# Altium PCB LARIX_V5.PcbDoc (part 1 of 2) (continued)
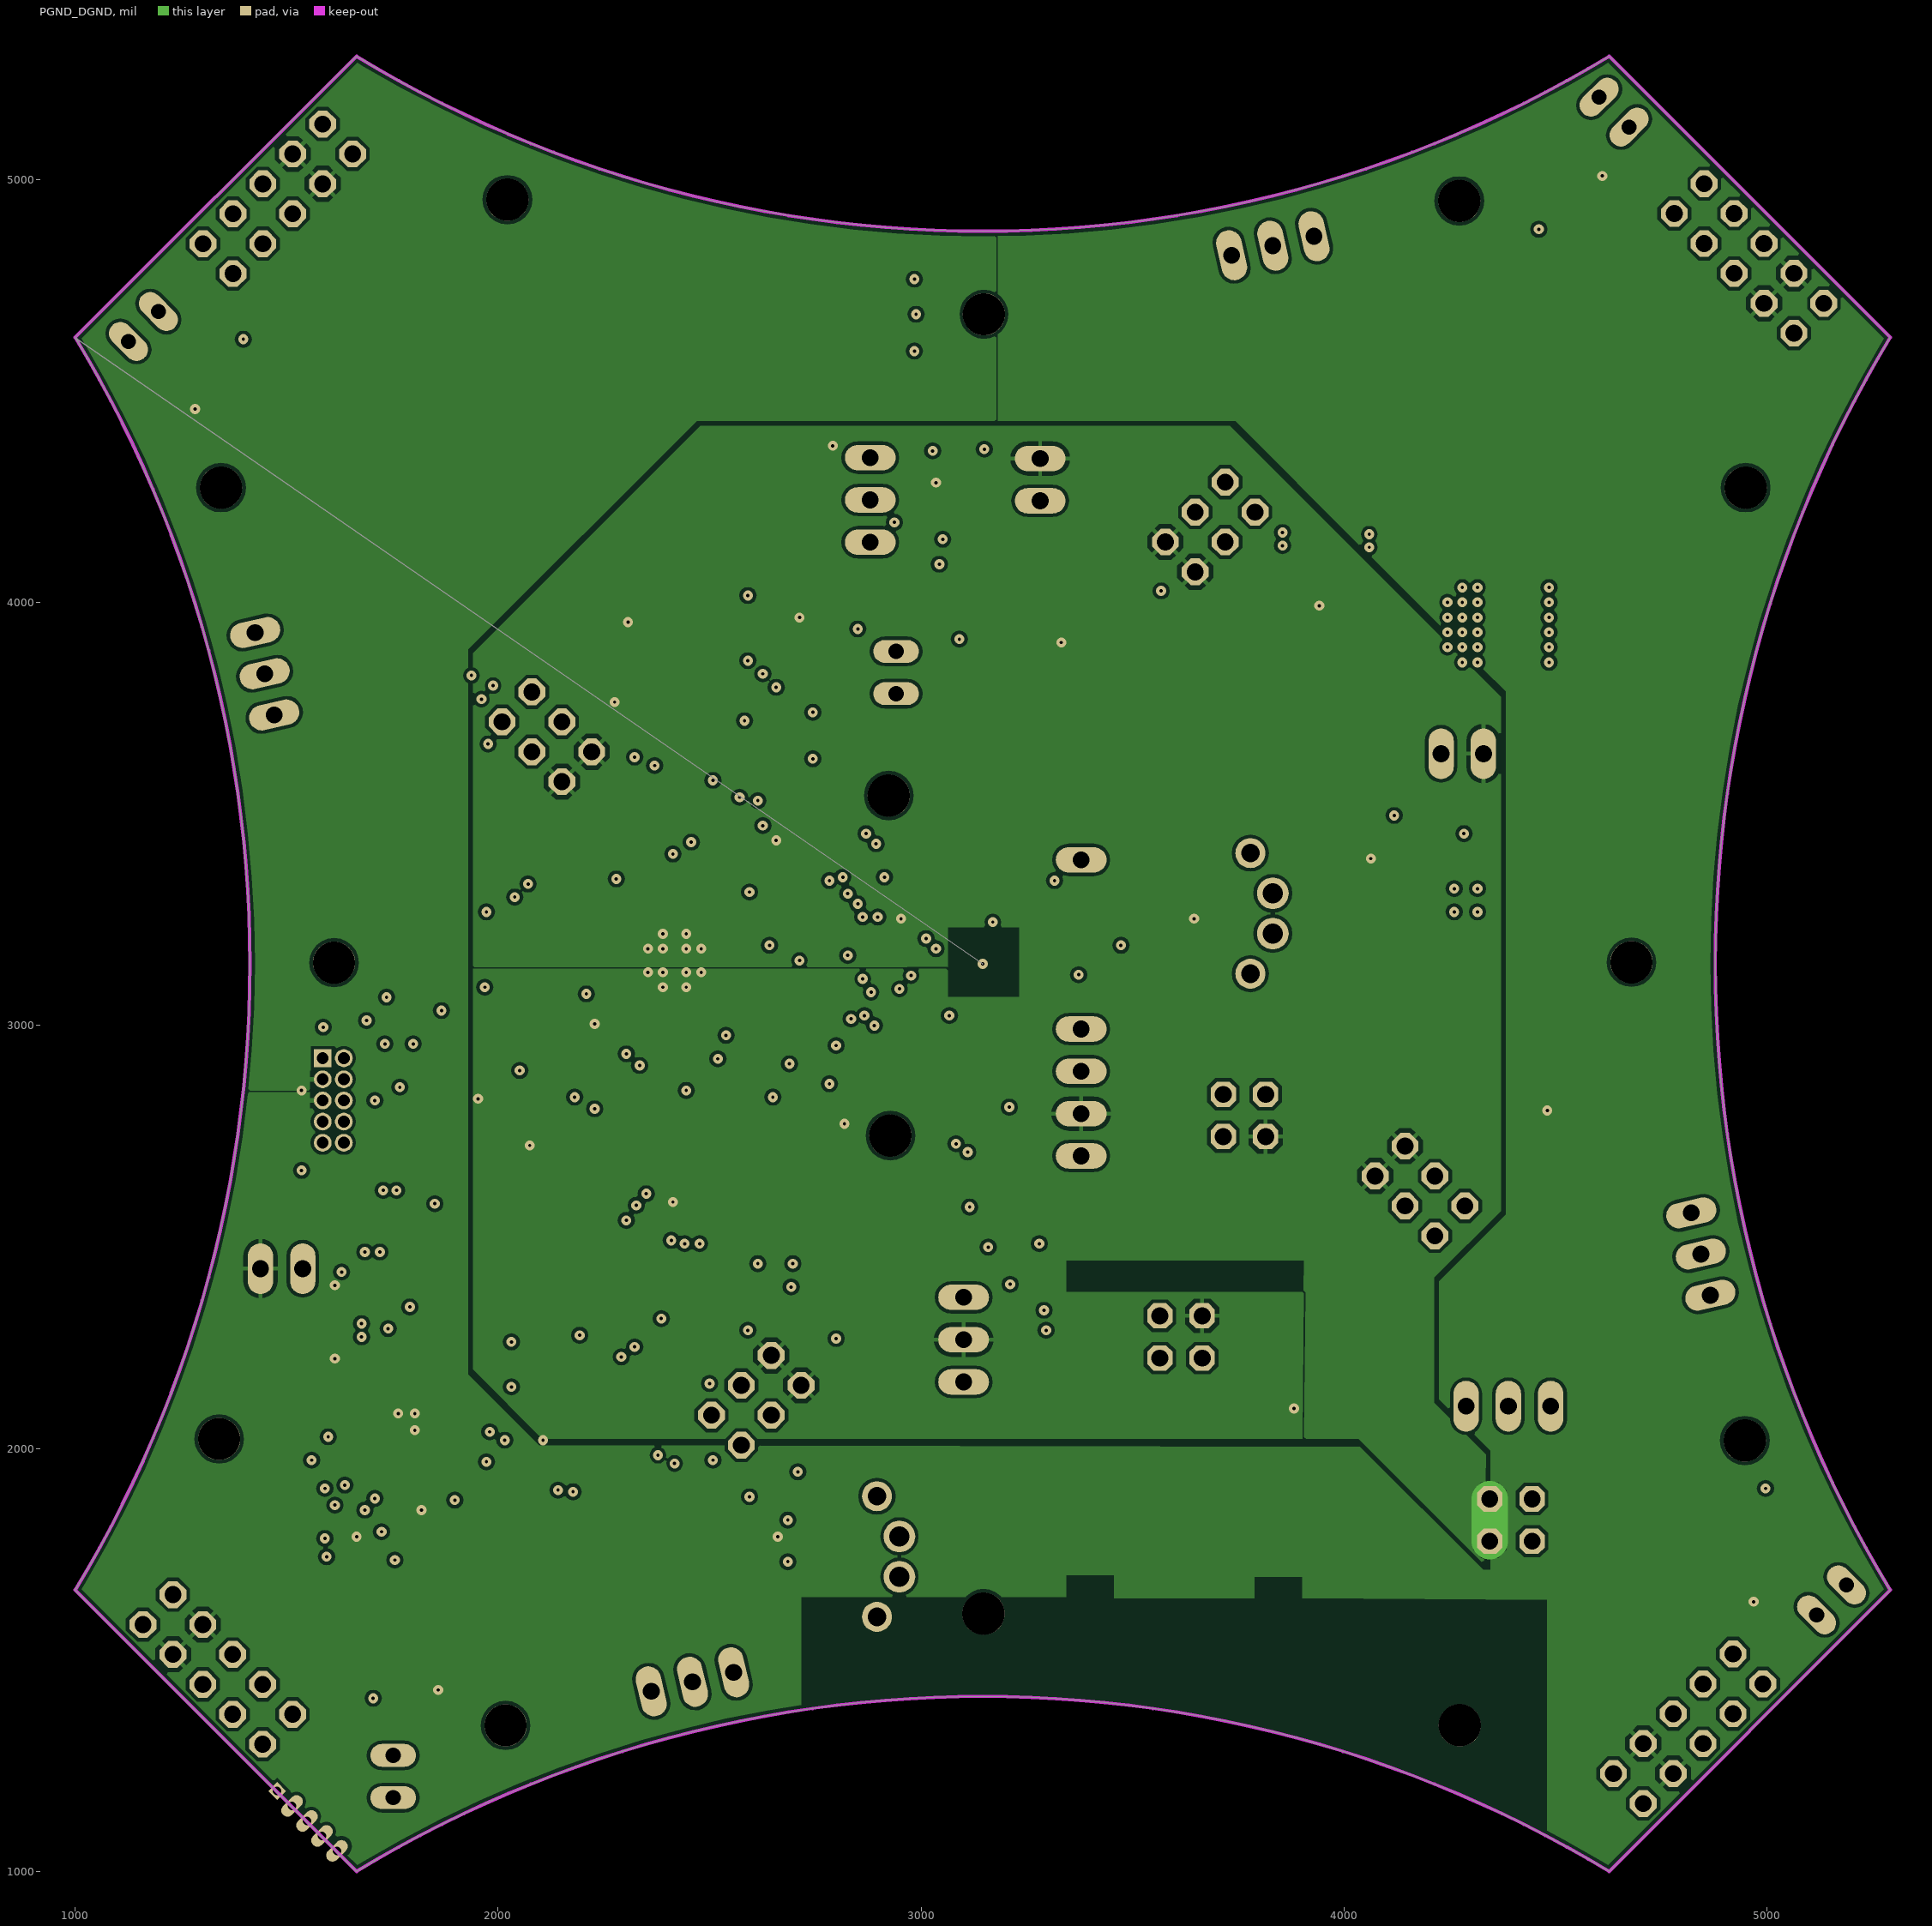
[diagram p3: PGND_DGND]
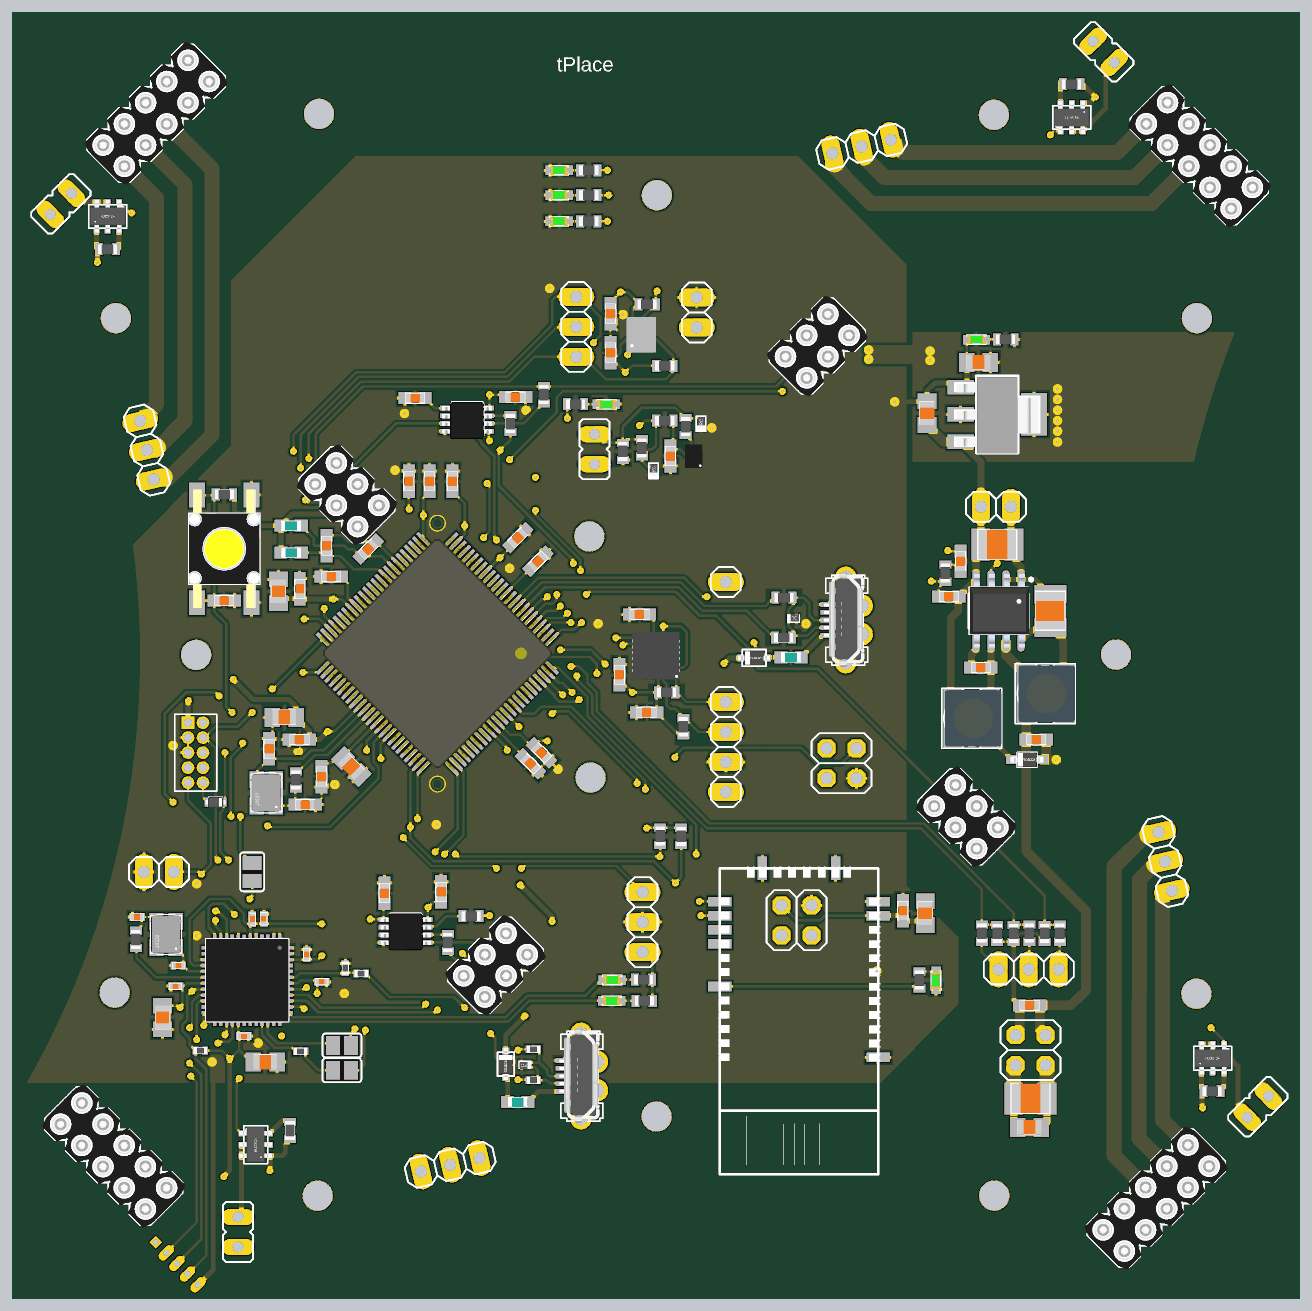
[diagram p5: 3D render of the assembled board from above, using the file's embedded part models]

## Layer stack, top to bottom
Top Solder: solder mask 0.4, Solder Resist, Dk 3.5
Top: signal copper 1.378
Dielectric 1: prepreg 15.748, FR-4, Dk 4.8
VCC_VDD: signal copper 1.378
Dielectric 2: core 15.748, FR-4, Dk 4.8
PGND_DGND: signal copper 1.378
Dielectric 3: prepreg 27.9528, FR-4, Dk 4.8
Bottom: signal copper 1.378
Bottom Solder: solder mask 0.4, Solder Resist, Dk 3.5

## Board outline
1000,4626.67 1665.35,5291.67 ccw(c3146.01,7735.15) 4626.67,5291.67 5291.67,4626.67 ccw(c7733.18,3146.01) 5291.67,1665.35 4626.67,1000 ccw(c3146.01,-1441.51) 1665.35,1000 1000,1665.35 ccw(c-1445.45,3146.01) 3145.67,3145.67

## Design rules (kind name [scope] priority, off if disabled: settings)
Clearance mdViaVia [IsVia vs IsVia] p1: gap=7.87
Clearance mdPadVia [IsPad vs IsVia] p2: gap=7.87
Clearance mdPadPad [IsPad vs IsPad] p3: gap=7.87
Clearance mdWireVia [(InLayerClass('Signal Layers') AND IsTrack) vs IsVia] p4: gap=7.87
Clearance mdWirePad [(InLayerClass('Signal Layers') AND IsTrack) vs IsPad] p5: gap=7.87
Clearance mdWireWire [(InLayerClass('Signal Layers') AND IsTrack) vs (InLayerClass('Signal Layers') AND IsTrack)] p6: gap=7.87
Clearance [All] p7: gap=7.87
ComponentClearance [All] p1 off: gap=10 collisioncheckmode=3 verticalgap=10 showdistances=FALSE
HoleSize [All] p1: absolutevalues=TRUE maxlimit=100000 minlimit=7.87 maxpercent=80.000 minpercent=20.000
HoleToHoleClearance [All] p1: gap=8 allowstackedmicrovias=TRUE
PolygonConnect ThermalVias [IsVia] p1: connectstyle=Direct reliefconductorwidth=10 reliefentries=4 polygonreliefangle="90 Angle" airgapwidth=10
PolygonConnect [All] p2: connectstyle=Relief reliefconductorwidth=10 reliefentries=4 polygonreliefangle="90 Angle" airgapwidth=10
RoutingVias [All] p1: holewidth=28 width=50 viastyle="Through Hole" minholewidth=28 minwidth=50 maxholewidth=28 maxwidth=50
SilkToSilkClearance [All] p1 off: silktosilkclearance=10
SilkToSolderMaskClearance [IsPad] p1 off: minsilkscreentomaskgap=10 clearancetoexposedcopper=TRUE
SolderMaskExpansion [All] p1: expansion=4
Width [All] p1: maxlimit=100000 minlimit=7.87 preferedwidth=10
25 further rules are at their usual default settings.

## Components (designator, comment, footprint, x,y, rotation, side; value= is the part's Value field where it differs from the comment)
C1 "10µ" C0805K 1886.5,3360.67 r90 top
C2 "10µ" C0805K 1906.38,2940.47 r180 top
C3 "100n" C0603 2685.04,3539.67 r45 top
C4 "100n" C0603 1957.84,3368.67 r90 top
C5 "100n" C0603 1956.69,2866.14 r180 top
C6 "100n" C0603 2763.78,2822.83 r315 top
C7 "100n" C0603 2751.97,3460.67 r45 top
C8 "100n" C0603 2062.99,3409.67 r180 top
C9 "100n" C0603 2726.72,2785.77 r315 top
C10 "100n" C0603 2030.34,2742.94 r270 top
C11 "10µ" C0805K 2129.72,2776.74 r315 top
C12 "15p" C0603 1855.48,2835.8 r90 top
C13 "15p" C0603 1976.38,2649.61 r0 top
C14 "100n" C0603 2994.09,4286.67 r270 top
C15 "100n" C0603 2994.09,4156.67 r270 top
C16 "100n" C0603 2186.19,3501.67 r45 top
C17 "100n" C0603 2047.24,3512.67 r90 top
C18 "100n" C0603 3114.17,2956.69 r0 top
C19 "100n" C0603 3090.55,3283.67 r0 top
C20 "10n" C0603 1705.91,3329.67 r0 top
C21 "10n" C0603 3023.62,3082.68 r270 top
C22 "10µ" C0805K 4049.67,3954.67 r90 top
C23 "10µ" C0805K 4221.67,4123.67 r180 top
C24 "100µ" C1210 4460.67,3295.67 r270 top
C25 "10µ" C0805K 4391.67,1572.83 r180 top
C26 "100µ" C1210 4283.67,3516.67 r0 top
C27 "100n" C0603 4391.67,1979.92 r180 top
C28 "100n" C0603 3193.67,3811.67 r90 top
C29 "n.m." C0603 2390.55,3727.67 r90 top
C30 "n.m." C0603 2321.65,3727.67 r90 top
C31 "n.m." C0603 2466.93,3727.67 r90 top
C32 "100µ" C1210 4394.67,1669.29 r180 top
C33 "220n" C0603 4413.67,2866.14 r180 top
C34 "220n" C0603 4228.67,3106.3 r180 top
C35 "220n" C0603 4122.67,3342.67 r180 top
C36 "22n" C0603 4161.67,3460.67 r270 top
C37 "n.m." C0805K 4043.67,2287.4 r90 top
C38 "n.m." C0603 3968.67,2295.28 r90 top
C39 "10µ" C0805K 1842.52,1791.34 r0 top
C40 "100n" C0603 2429.13,2358.27 r90 top
C41 "100n" C0603 2677.17,4008.67 r0 top
C42 "100n" C0603 2342.52,4004.67 r180 top
C43 "100n" C0603 2240.16,2354.33 r90 top
C204 "100n" C0402 1838.58,2268.8 r90 top
C205 "15p" C0402 1415.35,2274.8 r180 top
C206 "15p" C0402 1553.15,2112.6 r180 top
C208 "100n" C0402 2031.35,2058.76 r0 top
C209 "100n" C0402 1543.7,2044.07 r180 top
C210 "4.7µ" C0805K 1500.55,1939.96 r270 top
C211 "100n" C0402 1980.95,2149.95 r90 top
C212 "100n" C0402 1771.7,1877.66 r0 top
C213 "100n" C0402 1799.41,2267.52 r90 top
CON2 "FTSH-105-01-F-D-K" FTSH-105-01-F-D-K 1610.24,2822.83 r270 top
CON3 "" 2X02 3764.67,2787.4 r90 top
CON4 "" 1X03 3100.67,2257.42 r90 top
CON5 "" 1X03 1448.16,3831.67 r103 top
CON6 "" 1X03 3831.67,4843.67 r13 top
CON7 "" 1X03 4843.67,2459.73 r283 top
CON8 "" 1X03 2459.57,1448.37 r193 top
CON9 "" 2X02 4394.67,1830.71 r270 top
CON10 "" 2X02 3614.67,2263.78 r180 top
CON11 "" 1X03 4388.67,2100.06 r180 top
CON12 "" 1X02 3281.67,4290.67 r90 top
CON13 "" 1X03 2879.92,4242.67 r90 top
CON14 "" 1X02 4279.67,3642.67 r0 top
CON15 "" 1X10 3378.67,3141.73 r90 top
D1 "ESD8V0L2B-03L" TSLP-3-1 3607.67,3281.67 r270 top
D2 "BAT60A" SOD323-R 3472.67,3138.58 r0 top
D3 "ESD218-B1-02EL" TSLP-2-20 3141.73,3764.67 r180 top
D4 "ESD218-B1-02EL" TSLP-2-20 3299.67,3921.67 r180 top
D5 "BAT54-02V" SC79 1677.17,2657.48 r0 top
D6 "BAS21-03W" INF-SOD323_V_1PRIMARY 4382.67,2799.21 r270 top
D7 "ESD8V0L2B-03L" TSLP-3-1 2705.12,1769.78 r90 top
DPS310 "" LGA8R125P0X4_500X300X120 3096.46,4215.67 r0 top
EL1 "" JP1 5152.67,1642.05 r135 top
EL2 "" JP1 1161.46,4652.67 r315 top
EL3 "" JP1 4638.67,5159.67 r225 top
EL4 "" JP1 1751.97,1224.41 r0 top
IC1 "SN74LVC2T45DCT" DCT_R-PDSO-G8 2515.75,3933.67 r270 top
IC2 "SN74LVC2T45DCT" DCT_R-PDSO-G8 2311.02,2228.35 r270 top
JP1 "" JP1 2940.94,3834.67 r180 top
JP2 "" 1X02 1488.19,2425.2 r180 top
L1 "BLM18PG600" L1608 3595.67,3140.8 r0 top
L2 "BLM18PG600" L1608 1929.13,3579.67 r180 top
L3 "BLM18PG600" L1608 1929.61,3489.67 r180 top
L4 "47µH" WE-TPC 4453.67,3019.68 r270 top
L5 "47µH" WE-TPC 4208.67,2937.01 r270 top
L6 "BLM18PG600" L1608 2685.04,1657.48 r180 top
LD1 "BCU321" SC74 5037.67,1764.17 r180 top
LD2 "BCU321" SC74 1353.15,4571.67 r180 top
LD3 "BCU321" SC74 4496.67,4980.67 r0 top
LD4 "BCU321" SC74 1850.39,1551.18 r270 top
LED1 "n.m." CHIPLED_0603 4079.67,2063.39 r180 top
LED2 "LED-GREEN/D/0603" CHIPLED_0603 2980.32,3984.67 r270 top
LED3 "LED-RED/D/0603" CHIPLED_0603 2822.83,4594.67 r90 top
LED4 "LED-GREEN/D/0603" CHIPLED_0603 2822.83,4764.67 r90 top
LED5 "LED-YELLOW/D/0603" CHIPLED_0603 2822.83,4681.67 r90 top
LED6 "LED-BLUE/D/0603" CHIPLED_0603 4214.67,4199.67 r90 top
LED7 "LED-GREEN/D/0603" CHIPLED_0603 2998.46,1994.95 r90 top
LED8 "LED-RED/D/0603" CHIPLED_0603 2999.9,2064.17 r90 top
M1_IN "" 2X03 2115.37,3682.67 r135 top
M1_OUT "" 2X05 1479.14,4954.67 r45 top
M2_IN "" 2X03 3683.67,4178.67 r45 top
M2_OUT "" 2X05 4957.67,4813.67 r315 top
M3_IN "" 2X03 4179.67,2608.84 r315 top
M3_OUT "" 2X05 4813.67,1337.46 r225 top
M4_IN "" 2X03 2610.55,2114.05 r225 top
M4_OUT "" 2X05 1337.2,1477.65 r135 top
MPU9250 "" QFN3X3-24+ 3145.67,3145.67 r180 top
ORIGA "" WLB-5 3271.67,3799.67 r90 top
PAD1 "" BATT-SOLDER 4583.67,1748.03 r180 bottom
PAD2 "" BATT-SOLDER 4212.67,1748.03 r180 bottom
Q1 "12MHZ/S/3.2X2.5" 32X25_4PAD 1846.46,2688.98 r270 top
Q2 "12MHZ/S/3.2X2.5" 32X25_4PAD 1511.81,2216.54 r270 top
R1 "10k" R0603 1705.91,3683.67 r0 top
R2 "20R" R0603 3174.67,3929.67 r0 top
R3 "25R" R0603 3244.67,3909.67 r90 top
R4 "1k" R0603 3098.43,3838.67 r90 top
R5 "680R" R0603 4311.67,4200.67 r0 top
R6 "n.m." R0603 4023.67,2064.96 r270 top
R7 "330k" R0603 3035.43,3827.67 r270 top
R8 "n.m." R0603 3229.67,2544.09 r270 top
R9 "n.m." R0603 3159.67,2544.49 r270 top
R10 "22R" R0603 3571.67,3206.67 r180 top
R11 "22R" R0603 3572.67,3339.67 r180 top
R12 "510R" R0603 1944.88,2732.28 r270 top
R13 "30k" R0603 4492.67,2220.47 r90 top
R14 "4.7k" R0603 3236.67,2909.45 r270 top
R15 "4.7k" R0603 3181.67,3023.62 r180 top
R16 "1k" R0603 3116.14,4317.67 r0 top
R17 "1k" R0603 3174.67,4112.67 r0 top
R18 "10k" R0603 4441.67,2220.47 r270 top
R19 "10k" R0603 4338.67,2220.47 r270 top
R20 "680R" R0603 2877.95,3984.67 r180 top
R21 "680R" R0603 2921.26,4594.67 r0 top
R22 "680R" R0603 2921.26,4764.67 r0 top
R23 "680R" R0603 2921.26,4681.67 r0 top
R24 "22k" R0603 4110.67,3421.67 r270 top
R25 "510R" R0402 1960.63,1826.77 r0 top
R26 "n.m." R0603 1316.93,4501.67 r180 top
R27 "n.m." R0603 5000.67,1693.7 r180 top
R28 "30k" R0603 4390.67,2220.47 r90 top
R29 "30k" R0603 4232.67,2220.47 r90 top
R30 "10k" R0603 4283.67,2220.47 r270 top
R32 "n.m." R0603 4531.67,5051.67 r0 top
R33 "n.m." R0603 1925.2,1562.99 r270 top
R35 "n.m." R0603 2771.65,4016.67 r270 top
R36 "n.m." R0603 2660.54,3919.67 r90 top
R37 "n.m." R0603 2529.5,2277.42 r180 top
R38 "n.m." R0603 2451.41,2189.54 r90 top
R201 "680R" R0603 3106.94,1995.28 r180 top
R202 "680R" R0603 3104.67,2066.14 r180 top
R204 "22R" R0402 2736.61,1730.66 r0 top
R205 "510R" R0603 1411.34,2200 r90 top
R206 "22R" R0402 2736.61,1833.91 r0 top
R207 "4.7k" R0402 2162.8,2086.12 r0 top
R208 "10k" R0402 2109.74,2104.43 r270 top
R211 "10k" R0402 1626.18,1829.13 r0 top
RN42 "n.m." RN42+SHIELD 3886.67,2437.01 r180 top
SJ1 "" SJ 1799.21,2425.2 r90 top
SJ2 "" SJ 3474.67,2176.77 r90 bottom
SJ3 "" SJ 3472.67,2293.7 r270 bottom
SJ5 "" SJ 2098.43,1763.78 r180 top
SJ6 "" SJ 2098.43,1846.46 r180 top
SW1 "TMPS2-SMD" FSM2JSMA 1705.91,3502.67 r270 top
U$9 "" PINHEAD_127 1477.53,1190.13 r45 top
U$11 "" LOGO_100 2039.37,1925.2 r0 top
USB "vertical" USBVERTICAL 3831.67,3264.67 r90 top
USB1 "vertical" USBVERTICAL 2948.82,1744.09 r90 top
V203 "BAT60A" SOD323-R 2644.78,1784.15 r270 top
VREG1 "IFX91041V50" INF-PG-DSO-8-27_N_1PRIMARY 4287.67,3295.67 r270 top
VREG2 "IFX1117MEV33" SOT223 4283.67,3950.67 r270 top
XMC4200 "XMC4200_QFN48" QFN-48-7X7 1782.8,2063.78 r180 top
XMC4500 "XMC4500_LQFP100" P/PG-LQFP-100-11 2417.04,3153.67 r225 top

## Footprints (in the part's own frame and the unit in brackets; to place one, negate y for a bottom-side part, rotate by r counter-clockwise, add the part's x,y. Pads: shape width x height; smd on the part's side, far side on the other; paste and mask are expansions set on the pad)
1X02 [mil] "1X02"
  oval 60x120 hole 40: 1(-50,0) 2(50,0)
  silkscreen extent -100,-50 100,50
1X03 [mil] "1X03"
  oval 60x120 hole 40: 1(-100,0) 2(0,0) 3(100,0)
  silkscreen extent -150,-50 150,50
1X10 [mil] "1X10"
  oval 60x120 hole 40: 1(-450,0) 2(-350,0) 3(-250,0) 4(-150,0) 8(250,0)
  silkscreen extent -500,-50 300,50
2X02 [mil] "2X02"
  oct 60x60 hole 40: 1(-50,-50) 2(-50,50) 3(50,-50) 4(50,50)
  silkscreen extent -100,-100 100,100
2X03 [mil] "2X03"
  oct 60x60 hole 40: 1(-100,-50) 2(-100,50) 3(0,-50) 4(0,50) 5(100,-50) 6(100,50)
  silkscreen extent -150,-100 150,100, body extent -150,-100 150,100, height 276
2X05 [mil] "2X05"
  oct 60x60 hole 40: 1(-200,-50) 2(-200,50) 3(-100,-50) 4(-100,50) 5(0,-50) 6(0,50) 7(100,-50) 8(100,50) 9(200,-50) 10(200,50)
  silkscreen extent -250,-100 250,100, body extent -250,-100 250,100, height 276
32X25_4PAD [mil] "32X25_4PAD"
  rect 56x48 smd: 1(-43.31,-31.5) 2(44,-31.5) 3(44,32) 4(-43.31,32)
  silkscreen extent -67,-51 67,52, body extent -63,-49 63,49, height 30
BATT-SOLDER [mil] "BATT-SOLDER"
  rect 158x315 smd: P$1(0,0)
C0402 [mil] "C0402"
  rect 20x26 smd: 1(-15.75,0) 2(16,0)
  silkscreen extent -22,-12 22,12, body extent -20,-10 20,10, height 20
C0603 [mil] "C0603"
  rect 44x40 smd: 1(-33.46,0) 2(34,0)
  silkscreen extent -33,-19 33,19, body extent -31,-16 31,15, height 20
C0805K [mil] "C0805K"
  rect 52x63 smd: 1(-39.37,0) 2(40,0)
  silkscreen extent -39,-26 40,26, body extent -39,-25 39,24, height 31
C1210 [mil] "C1210"
  rect 63x107 smd: 1(-55.12,0) 2(56,0)
  silkscreen extent -67,-51 67,52, body extent -63,-50 63,48, height 37
CHIPLED_0603 [mil] "CHIPLED_0603"
  rect 32x32 smd: A(0,-29.53) C(0,30)
  silkscreen extent -18,-33 18,34, body extent -15,-31 16,31, height 24
DCT_R-PDSO-G8 [mil] "DCT_R-PDSO-G8"
  rect 16x32 smd: 1(-38.39,-73.82) 2(-12.8,-73.82) 3(13,-73.82) 4(39,-73.82) 5(39,74) 6(13,74) 7(-12.8,74) 8(-38.39,74)
  silkscreen extent -60,-84 61,84, body extent -59,-84 65,84, height 51
FSM2JSMA [mil] "FSM2JSMA"
  rect 83x52 smd: P(-179.13,-90.55) P1(180,-90.55) S(-179.13,91) S1(180,91)
  silkscreen extent -197,-118 197,119, body extent -197,-118 197,118, height 197
FTSH-105-01-F-D-K [mil] "FTSH-105-01-F-D-K"
  rect 42x42 hole 28: 1(-100,-25)
  round 42 hole 28: 2(-100,25) 3(-50,-25) 4(-50,25) 5(0,-25) 6(0,25) 7(50,-25) 8(50,25) 9(100,-25) 10(100,25)
  silkscreen extent -127,-70 128,71
INF-PG-DSO-8-27_N_1PRIMARY [mil] "INF-PG-DSO-8-27_N_1PRIMARY"
  rrect100% 62x24 smd: 1(-104.33,75) 2(-104.33,25) 3(-104.33,-25) 4(-104.33,-75) 5(105,-75) 6(105,-25) 7(105,25) 8(105,75)
  rect 113x126 smd: 9(0,0)
  silkscreen extent -120,-98 120,114, body extent -123,-95 123,102, height 69
INF-SOD323_V_1PRIMARY [mil] "INF-SOD323_V_1PRIMARY"
  rect 30x40 smd: 1(0,50) 2(0,-49.21)
  silkscreen extent -25,-55 25,55, body extent -25,-53 25,53, height 43
JP1 [mil] "JP1"
  oval 108x54 hole 36: 1(0,-50) 2(0,50)
  silkscreen extent -50,-100 50,100
L1608 [mil] "L1608"
  rect 44x40 smd: 1(-33.46,0) 2(34,0)
  silkscreen extent -33,-17 33,17, body extent -31,-16 32,16, height 37
LGA8R125P0X4_500X300X120 [mil] "LGA8R125P0X4_500X300X120"
  rect 15x15 smd: P1(29,39) P2(29,13) P3(29,-12.8) P4(29,-38.39) P5(-28.54,-38.39) P6(-28.54,-12.8) P7(-28.54,13) P8(-28.54,39)
  silkscreen extent -35,-45 35,45, body extent -49,-59 49,59, height 35
LOGO_100 [mil] "LOGO_100"
P/PG-LQFP-100-11 [mil] "P/PG-LQFP-100-11"
  rect 54x12 smd: 1(-304.13,237) 2(-304.13,217) 3(-304.13,197) 4(-304.13,178) 5(-304.13,158) 6(-304.13,138) 7(-304.13,119) 8(-304.13,99) 9(-304.13,79) 10(-304.13,60) 11(-304.13,40) 12(-304.13,20) 13(-304.13,0) 14(-304.13,-19.69) 15(-304.13,-39.37) 16(-304.13,-59.06) 17(-304.13,-78.74) 18(-304.13,-98.43) 19(-304.13,-118.11) 20(-304.13,-137.8) 21(-304.13,-157.48) 22(-304.13,-177.17) 23(-304.13,-196.85) 24(-304.13,-216.54) 25(-304.13,-236.22) 51(305,-236.22) 52(305,-216.54) 53(305,-196.85) 54(305,-177.17) 55(305,-157.48) 56(305,-137.8) 57(305,-118.11) 58(305,-98.43) 59(305,-78.74) 60(305,-59.06) 61(305,-39.37) 62(305,-19.69) 63(305,0) 64(305,20) 65(305,40) 66(305,60) 67(305,79) 68(305,99) 69(305,119) 70(305,138) 71(305,158) 72(305,178) 73(305,197) 74(305,217) 75(305,237)
  rect 12x54 smd: 26(-236.22,-304.13) 27(-216.54,-304.13) 28(-196.85,-304.13) 29(-177.17,-304.13) 30(-157.48,-304.13) 31(-137.8,-304.13) 32(-118.11,-304.13) 33(-98.43,-304.13) 34(-78.74,-304.13) 35(-59.06,-304.13) 36(-39.37,-304.13) 37(-19.69,-304.13) 38(0,-304.13) 39(20,-304.13) 40(40,-304.13) 41(60,-304.13) 42(79,-304.13) 43(99,-304.13) 44(119,-304.13) 45(138,-304.13) 46(158,-304.13) 47(178,-304.13) 48(197,-304.13) 49(217,-304.13) 50(237,-304.13) 76(237,305) 77(217,305) 78(197,305) 79(178,305) 80(158,305) 81(138,305) 82(119,305) 83(99,305) 84(79,305) 85(60,305) 86(40,305) 87(20,305) 88(0,305) 89(-19.69,305) 90(-39.37,305) 91(-59.06,305) 92(-78.74,305) 93(-98.43,305) 94(-118.11,305) 95(-137.8,305) 96(-157.48,305) 97(-177.17,305) 98(-196.85,305) 99(-216.54,305) 100(-236.22,305)
  rect 276x276 smd: EXP(0,0)
  Top circle w0: c308,308 r16
  Top circle w0: c-307.09,-307.09 r16
  Top circle w0: c308,308 r16
  Top circle w0: c-307.09,-307.09 r16
  silkscreen extent -315,-315 315,316, body extent -315,-315 315,315, height 65
PINHEAD_127 [mil] "PINHEAD_127"
  rect 30x30 hole 20: P$1(0,0)
  oval 60x30 hole 20: P$2(0,-50) P$3(0,-100) P$4(0,-150) P$5(0,-200)
QFN3X3-24+ [mil] "QFN3X3-24+"
  rect 20x12 smd: 1(-59.06,40) 2(-59.06,24) 3(-59.06,8) 4(-59.06,-8.03) 5(-59.06,-23.78) 6(-59.06,-39.53) 13(60,-39.21) 14(60,-23.46) 15(60,-7.72) 16(60,9) 17(60,24) 18(60,40)
  rect 12x20 smd: 7(-39.21,-59.06) 8(-23.46,-59.06) 9(-7.72,-59.06) 10(9,-59.06) 11(24,-59.06) 12(40,-59.06) 19(40,60) 20(24,60) 21(8,60) 22(-8.03,60) 23(-23.78,60) 24(-39.53,60)
  rect 60x60 smd: EXP(0,0)
  silkscreen extent -55,-55 56,56, body extent -80,-80 80,79, height 35
QFN-48-7X7 [mil] "QFN-48-7X7"
  rect 32x12 smd: 1(-135.83,109) 2(-135.83,89) 3(-135.83,69) 4(-135.83,50) 5(-135.83,30) 6(-135.83,10) 7(-135.83,-9.84) 8(-135.83,-29.53) 9(-135.83,-49.21) 10(-135.83,-68.9) 11(-135.83,-88.58) 12(-135.83,-108.27) 25(136,-108.27) 26(136,-88.58) 27(136,-68.9) 28(136,-49.21) 29(136,-29.53) 30(136,-9.84) 31(136,10) 32(136,30) 33(136,50) 34(136,69) 35(136,89) 36(136,109)